# Altium PCB CLP_v1.2_Pcb.PcbDoc (continued)
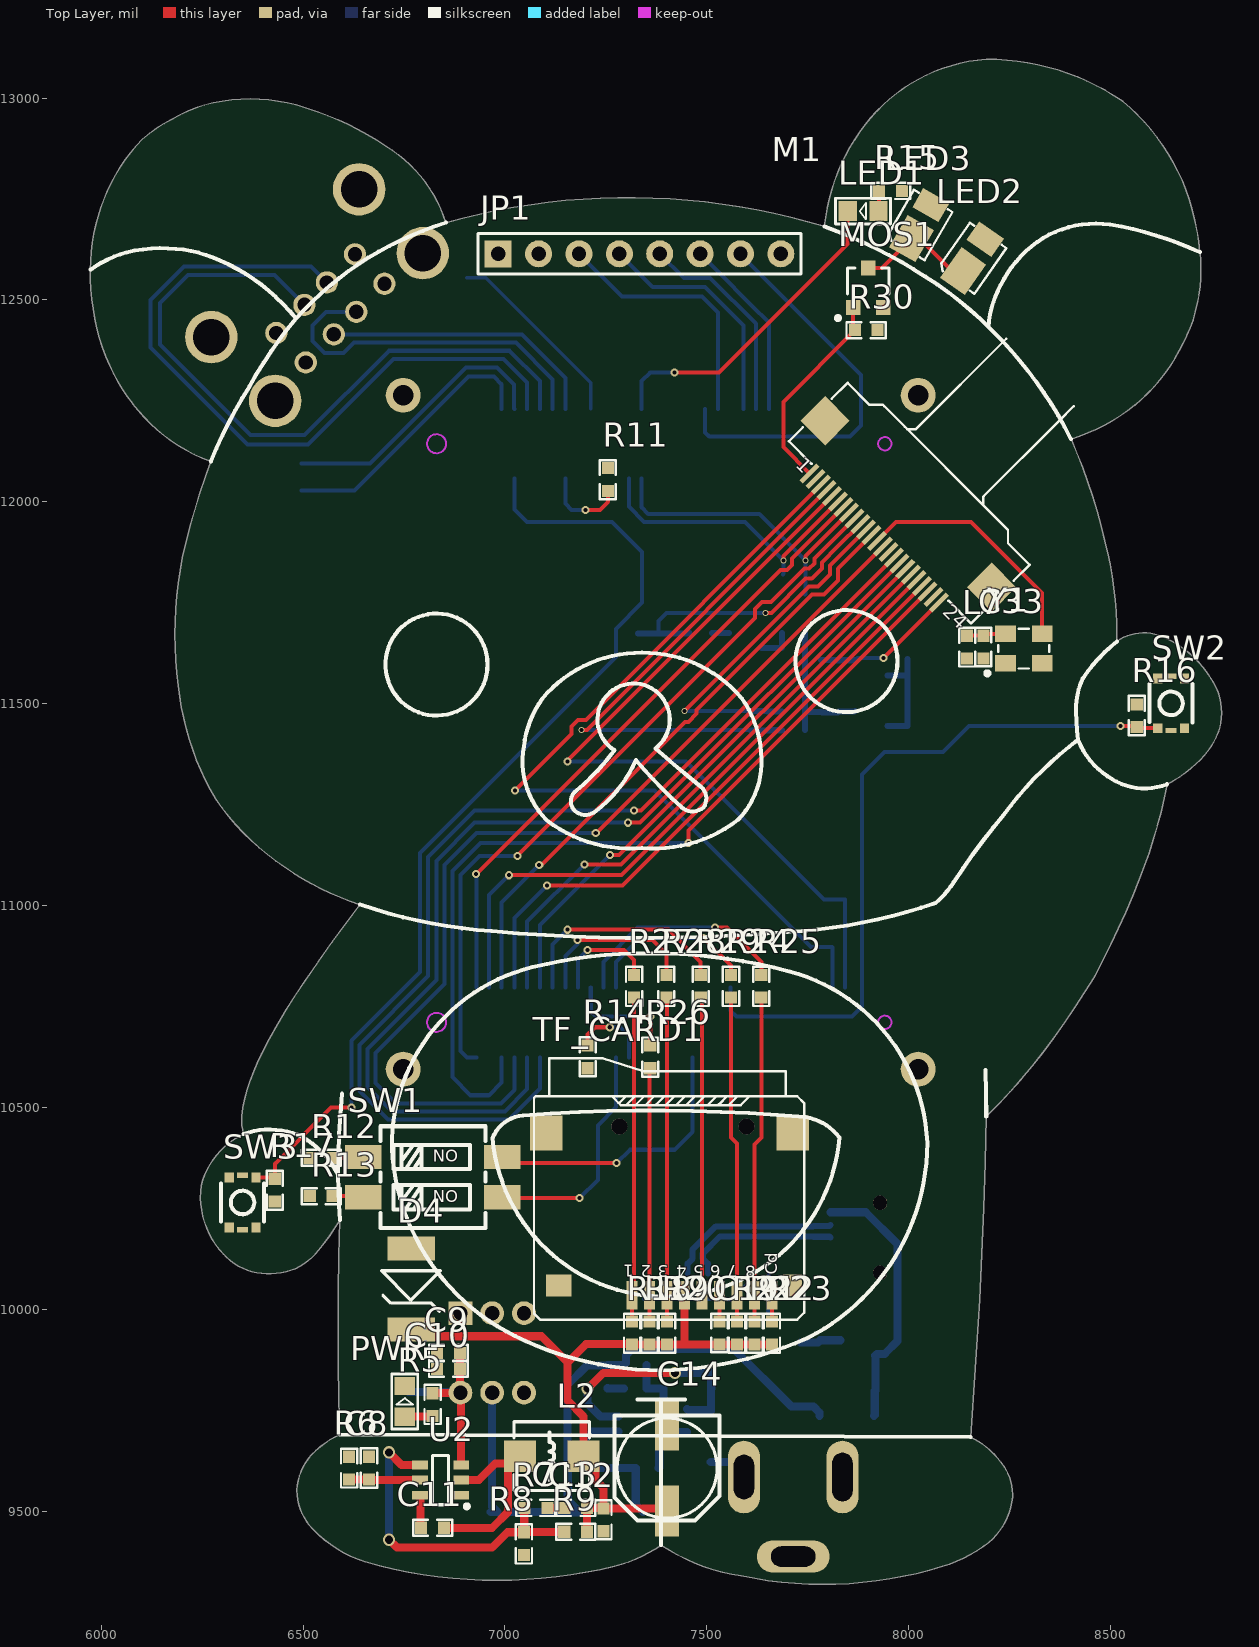
[diagram p0: Top Layer view]
## Footprints (in the part's own frame and the unit in brackets; to place one, negate y for a bottom-side part, rotate by r counter-clockwise, add the part's x,y. Pads: shape width x height; smd on the part's side, far side on the other; paste and mask are expansions set on the pad) (continued)
SW [mm] "key"
  rect 0.625x0.575 smd: 1(-1.547,0.839) 2(1.577,0.839) 3(-1.547,-0.835) 4(1.577,-0.835)
  rect 0.325x0.7 smd: 5(1.727,0.002) 6(-1.697,0.002)
  silkscreen extent -1.19,-1.35 1.22,1.35, body extent -1.53,-1.05 1.48,1.05, height 0.55
USB-MINI-A [mm]
  rect 0.5x2.3 smd: 1(-1.6,3.108) 2(-0.8,3.108) 3(0,3.108) 4(0.8,3.108) 5(1.6,3.108)
  rect 2x2.5 smd: 5(-4.45,-3) 5(-4.45,2.5) 5(4.45,-3) 5(4.45,2.5)
  round 0.9 hole 0.9 unplated: MH1(2.2,0) MH2(-2.2,0)
  silkscreen extent -4.95,-5.95 4.95,4.89, body extent -4.75,-6 4.75,3.7, height 3.95
USB_HOST [mm] "KH-2AF90DIP-1715"
  round 1.4 hole 0.9: 1(1.5,0.9) 2(4,0.9) 3(6,0.9) 4(8.5,0.9) 5(1.5,-1.72) 6(4,-1.72) 7(6,-1.72) 8(8.5,-1.72)
  round 3.3 hole 2.3: 9(-1.57,1.25) 10(11.57,1.25) 11(-1.57,-4.43) 12(11.57,-4.43)
  silkscreen extent -1.57,-16.37 11.58,3.02, body extent -7.25,-15.25 12.95,5.43, height 15.6
XTAL3225 [mm]
  rect 1.3x1.05 smd: 1(0,0) 2(2.3,0) 3(2.3,1.85) 4(0,1.85)
  silkscreen extent -1.27,-0.76 2.74,2.17

## Part data
C1 C2 C3 C4 C5 C6 C8 C9 C10 C11 C12 C13 C15 C16 C17 C18 C19 C20 C21 C22 C23 C24 C25 C26 C27 C28 C29 C30 C31 C32 C33 C34 C35: library part C
C7 C14: library part C-CM, "贴片电解电容", BOM名称=贴片电解电容, 学习资源=www.ooocke.com, 版权归属=源创客
D1 D2 VD1: library part SS14, "肖特基二极管", BOM名称=肖特基二极管, 学习资源=www.ooocke.com, 属性=40V/1A, 版权归属=源创客
D3 D4: library part SMBJ, "TVS"
DC_IN1: library part P-DC, "低压电源接口", BOM名称=DC电源接口, 学习资源=www.ooocke.com, 版权归属=源创客
F1: library part FU, "贴片保险丝", BOM名称=贴片保险丝, 学习资源=www.ooocke.com, 版权归属=源创客
I.MX6UL_CORE: library part I.MX6UL核心板, "I.MX6UL核心板"
JP1: library part "Header 8", "8P接插件", BOM名称=8P接插件, 学习资源=https://lmdzstyle.taobao.com/, 版权归属=黎明电子style
L1 L2: library part L-CDRH, "功率屏蔽电感", BOM名称=功率屏蔽电感, 学习资源=www.ooocke.com, 版权归属=源创客
L3 L4 L5 L6 L7: library part L, "小功率贴片电感磁珠", BOM名称=小功率贴片电感, 学习资源=www.ooocke.com, 版权归属=源创客
LED1 PWR: library part LED-SMD, "贴片LED", BOM名称=贴片LED, 学习资源=www.ooocke.com, 版权归属=源创客
M1: library part OV5640-A-170, "OV5640-A-170,AF,FPC"
MOS1: library part MOS-N, "AP2306"
R1 R2 R3 R4 R5 R6 R7 R8 R9 R11 R12 R13 R14 R15 R16 R17 R18 R19 R20 R21 R22 R23 R24 R25 R26 R27 R28 R29 R30 R31 R32 R33 R34 R35: library part R
SW1: library part SMD_KEY, "boot && led key"
SW2 SW3: library part SW, "key"
SW4: "7*7自锁开关", BOM名称=7*7自锁开关, 学习资源=https://lmdzstyle.taobao.com/, 版权归属=黎明电子style
TF_CARD1: "Micro SD卡", BOM名称="Micro SD卡", 学习资源=www.ooocke.com, 版权归属=源创客
U1 U2: "DC降压芯片"
U3: library part CH340G, "USB2UART"
U4: library part "LDO XC6206", "LDO", Package=SOT-23, SuppliersPartNumber=C5446, ComponentLink1Description=供应商链接, ComponentLink1URL=http://www.szlcsc.com/product/details_5896.html, Supplier=LC
U5 U6: "单路双掷模拟开关"
U7 U8 U9: library part XC6206, "LDO,SOT23,1.2~5.0V"
USB1: library part USB_HOST, "WIFI && USB_HUB"
USB_TTL: "微型USB母座", BOM名称=微型USB母座, 学习资源=www.ooocke.com, 版权归属=源创客
Y1: library part XTAL_S, "有源晶振"

## Via types
v1: diameter 20, hole 10, Top Layer to Bottom Layer, 27 vias
v2: diameter 15, hole 10, Top Layer to Bottom Layer, 5 vias
v3: diameter 30, hole 20, Top Layer to Bottom Layer, 4 vias

## Nets (pads, with @x,y where several pads share a name; then routed paths per layer and width w, separated by ;. In a path a pad name is that pad's centre, name@x,y a point inside that pad or via, vN(x,y) a via of type N, cw(c..) or ccw(c..) an arc to the next point about the centre after c; other vN are vias at no path point)
AF-VCC: C24.2 C25.2 M1.24 U8.2 | length 352.6
  Top Layer w10: v1(7937.48,11612.52) M1.24
  Bottom Layer w10: U8.2 7873.23,11612.52 v1(7937.48,11612.52)
  Bottom Layer w15: C25.2 C24.2 7823.1,11607.38 7866.85,11607.38 U8.2
AVDD: C29.2 C30.2 L5.2 M1.4 | length 1350.8
  Top Layer w10: v2(7190,11435) 7203.19,11435 M1.4
  Bottom Layer w10: v2(7190,11435) 7608.25,11435 C30.2
  Bottom Layer w15: C30.2 C29.2 7650.88,11434.12 7685.88,11434.12 L5.2
BOOT_MODE1: I.MX6UL_CORE.J2_8 R11.2 | length 208.5
  Top Layer w10: v1(7200,11980) 7235,11980 7255,12000 R11.2
  Bottom Layer w10: I.MX6UL_CORE.J2_8 7149.61,11995.39 7165,11980 v1(7200,11980)
CH340_D+: U3.5 USB_TTL.3 | length 390.1
  Bottom Layer w15: U3.5 7502.56,10112.8 7490.06,10125.3 7490.06,10137.73 7532.74,10180.41 7763.4,10180.41 7764.31,10179.51 7804.43,10179.51 USB_TTL.3
CH340_D-: U3.6 USB_TTL.2 | length 431.5
  Bottom Layer w15: U3.6 7452.56,10112.8 7465.06,10125.3 7465.06,10148.08 7522.39,10205.41 7763.4,10205.41 7764.31,10206.32 7804.43,10206.32 USB_TTL.2
DCDC_1V5: C21.2 C22.2 C34.1 L4.2 M1.10 | length 767.5
  Top Layer w10: v2(7645,11725) 7660,11725 7745,11810 7760,11810 7785,11835 7785,11849.78 7823.98,11888.76 M1.10
  Bottom Layer w10: C22.2 7380,11705 7400,11725 v2(7645,11725)
  Bottom Layer w15: C34.1 C22.2 C21.2 7420.88,11674.12 7455.88,11674.12 L4.2
DCDC_2V8: C27.2 C28.2 L3.2 L5.1 L6.1 U9.2 | length 366.5
  Bottom Layer w15: L5.1 L6.1 ; L3.2 L6.1 ; U9.2 7865.7,11480.08 7826.83,11480.08 C27.2 C28.2 7784.13,11479.12 7744.13,11479.12 L6.1
DCDC_3V3: C12.1 C13.1 C14.1 C18.2 C19.2 C23.2 C26.2 C35.2 D4.2 JP1.2 JP1.8 L2.2 L7.2 LED2.1 LED3.1 R9.2 R11.1 R12.1 R13.1 R14.1 R15.2 R16.2 R17.2 R18.2 R19.2 R20.2 R21.2 R22.2 R23.2 R31.1 R32.1 R33.1 R34.1 TF_CARD1.4 U5.5 U5.6 U6.5 U6.6 U8.3 U9.3 | length 1990.7
  Top Layer w20: D4.2 6784.76,9933.07 7090.55,9933.07 7155.51,9868.11 ; R9.2 C13.1 7204.09,9507.24 7243.46,9507.24 C12.1 ; C14.1 7394.98,9506.6 C12.1 ; TF_CARD1.4 7444.88,9912.69 ; R23.2 R22.2 R21.2 C19.2 7444.88,9912.69 ; 7155.51,9868.11 7200.79,9913.39 7314.27,9913.39 R18.2 R19.2 R20.2 7444.88,9912.69 ; 7155.51,9868.11 7155.51,9773.62 7194.88,9734.25 L2.2 7224.25,9606.46 7224.25,9576.93 7244.09,9557.09 C12.1
  Bottom Layer w15: U8.3 7947.59,11569.88 7996.63,11569.88 C23.2 ; U9.3 7947.57,11444.95 C26.2 C26.2 C23.2 ; C35.2 C23.2
DCDC_5V: C1.1 C9.2 C10.2 D1.1 D2.1 D3.2 I.MX6UL_CORE.J2_1 I.MX6UL_CORE.J2_2 R5.2 SW4.6 U2.3 USB1.1 USB1.5 | length 478.4
  Top Layer w20: R5.2 6821.5,9792.67 6887.85,9792.67 6889.13,9793.95 6889.13,9851.72 C10.2 C9.2 ; SW4.6 6890.75,9792.32 6890.75,9615 6891.57,9614.17 U2.3
  Bottom Layer w20: D3.2 6761.48,9794.94 6888.13,9794.94 SW4.6
DOVDD: C31.2 C32.2 L6.2 M1.11 | length 890.6
  Top Layer w10: v2(7445,11481.94) 7753.06,11790 7775,11790 7805,11820 7805,11841.94 M1.11
  Bottom Layer w10: v2(7445,11481.94) 7609.81,11481.94 C32.2
  Bottom Layer w15: C32.2 C31.2 7650.88,11480.88 7685.88,11480.88 L6.2
GND: C1.2 C2.2 C3.2 C6.1 C7.2 C8.1 C9.1 C10.1 C12.2 C14.2 C15.1 C16.1 C17.1 C18.1 C19.1 C20.1 C21.1 C22.1 C23.1 C24.1 C25.1 C26.1 C27.1 C28.1 C29.1 C30.1 C31.1 C32.1 C33.2 C34.2 C35.1 D3.1 D4.1 DC_IN1.2 DC_IN1.3 I.MX6UL_CORE.J2_59 I.MX6UL_CORE.J2_60 JP1.1 M1.2 M1.15 M1.23 M1.25 M1.26 MOS1.2 PWR.2 R4.1 R8.2 R30.1 R35.2 SW2.3 SW3.3 TF_CARD1.6 U1.1 U2.1 U3.1 U4.1 U5.2 U6.2 U7.1 U8.1 U9.1 USB1.4 USB1.8 USB1.9 USB1.10 USB1.11 USB1.12 USB_TTL.5 Y1.2 | length 65.2
  Top Layer w10: C19.1 TF_CARD1.6
IPS_CS: I.MX6UL_CORE.J2_42 JP1.7 | length 1009.1
  Bottom Layer w10: I.MX6UL_CORE.J2_42 7496.06,12171.47 7506.12,12161.42 7854.33,12161.42 7881.89,12188.98 7881.89,12314 7583.46,12612.42 JP1.7
IPS_DC: I.MX6UL_CORE.J2_37 JP1.6 | length 454.3
  Bottom Layer w10: JP1.6 7525.98,12571.65 7611.02,12486.61 7653.54,12444.09 I.MX6UL_CORE.J2_37
IPS_RESET: I.MX6UL_CORE.J2_38 JP1.5 | length 521
  Bottom Layer w10: JP1.5 7443.11,12554.53 7508.46,12554.53 7622.05,12440.94 I.MX6UL_CORE.J2_38
IPS_SCL: I.MX6UL_CORE.J2_41 JP1.3 | length 642.6
  Bottom Layer w10: JP1.3 7289.76,12507.87 7488.19,12507.87 7527.56,12468.5 I.MX6UL_CORE.J2_41
IPS_SDA: I.MX6UL_CORE.J2_39 JP1.4 | length 587.2
  Bottom Layer w10: JP1.4 7366.14,12531.5 7496.06,12531.5 7590.55,12437.01 I.MX6UL_CORE.J2_39
LCD_DATA5: I.MX6UL_CORE.J1_12 SW1.3 | length 578.7
  Top Layer w10: SW1.3 6995.95,10275 v1(7185,10275)
  Bottom Layer w10: v1(7185,10275) 7230,10320 7230,10455 7275.59,10500.59 I.MX6UL_CORE.J1_12
LCD_DATA6: I.MX6UL_CORE.J1_13 R14.2 | length 198.8
  Top Layer w10: R14.2 7205,10680 7223.4,10698.4 v1(7259.66,10698.4)
  Bottom Layer w10: v1(7259.66,10698.4) 7286.6,10698.4 7307.09,10677.91 I.MX6UL_CORE.J1_13
LCD_DATA11: I.MX6UL_CORE.J1_18 SW1.4 | length 693.8
  Top Layer w10: SW1.4 7009.04,10361.91 v1(7276.91,10361.91)
  Bottom Layer w10: v1(7276.91,10361.91) 7310,10395 7420,10395 7464.57,10439.57 I.MX6UL_CORE.J1_18
LED0: I.MX6UL_CORE.J2_47 LED1.2 | length 800.7
  Top Layer w10: v1(7420,12320) 7530,12320 7848.99,12638.99 LED1.2
  Bottom Layer w10: I.MX6UL_CORE.J2_47 7338.58,12298.58 7360,12320 v1(7420,12320)
NetC2_1: C2.1 C3.1 R1.1 U1.3 VD1.2 | length 604.5
  Top Layer w20: v3(7204.72,9803.15) 7244.09,9842.52 v3(7421.26,9842.52)
  Bottom Layer w20: v3(7204.72,9803.15) 7204.72,9766.3 7236.97,9734.05 U1.3 ; v3(7421.26,9842.52) C2.1@7509.84,9842.52 ; R1.1 7453.1,9750.35 7507.53,9750.35 VD1.2 7510.48,9748.67 7510.48,9802.51 C3.1 C2.1
NetC4_1: C4.1 U1.6 | length 54.9
  Bottom Layer w20: C4.1 7382.3,9607.98 7382.3,9658.42 7383.12,9659.25 U1.6
NetC4_2: C4.2 L1.1 U1.2 | length 398.1
  Bottom Layer w20: U1.2 7216.34,9696.65 7194.88,9675.2 7194.88,9625.98 7214.57,9606.3 C4.2 7324.11,9516.44 L1.1
NetC5_1: C5.1 R2.2 | length 41.2
  Bottom Layer w20: C5.1 7254.58,9803.79 7293.95,9803.79 R2.2
NetC5_2: C5.2 C6.2 C7.1 F1.1 L1.2 R3.2 SW4.5 | length 1561.3
  Bottom Layer w20: C7.1@6964.86,9498.03 6981.44,9498.03 6968.5,9510.97 SW4.5 SW4.5@6966.54,9791.34 ; C7.1@7015.75,9497.39 7105.66,9497.39 C6.2 7183.76,9496.75 L1.2 7155.67,9527.4 7155.67,9645.51 7155.51,9645.67 7155.51,9812.99 7203.45,9860.93 C5.2 7254.58,9861.57 7293.95,9861.57 7299.58,9867.2 7299.58,9885.92 7315.24,9901.57 7566.93,9901.57 7709.78,9758.72 7763.96,9758.72 7778.96,9743.72 F1.1
NetC8_2: C8.2 R6.1 U2.5 | length 175.7
  Top Layer w20: C8.2 R6.1 6664.02,9577.41 6788.73,9577.41 U2.5
NetC11_1: C11.1 L2.1 U2.2 | length 461
  Top Layer w20: C11.1 6968.5,9458.66 7007.87,9498.03 7007.87,9594.74 7008.03,9594.9 7008.03,9606.46 L2.1 ; U2.2 6935.35,9576.77 6976.12,9617.54 L2.1@7010.75,9617.54
NetC11_2: C11.2 U2.6 | length 82.5
  Top Layer w20: U2.6 6790.17,9539.37 6790.99,9538.54 6790.99,9460.28 C11.2
NetC13_2: C13.2 R7.1 | length 41.9
  Top Layer w20: R7.1 C13.2
NetC20_2: C20.2 L3.1 U7.3 | length 87.6
  Bottom Layer w15: U7.3 7635.13,11638.12 7684.88,11638.12 C20.2 7685.88,11639.12 7685.88,11674.12 L3.1
NetC33_1: C33.1 L7.1 Y1.4 | length 103.4
  Top Layer w10: L7.1 C33.1 8189.58,11672.83 Y1.4 Y1.4@8235.42,11668.25
NetDC_IN1_1: DC_IN1.1 VD1.1 | length 102.3
  Bottom Layer w20: VD1.1 7562.01,9622.05 7592.04,9592.02 DC_IN1.1
NetI.MX6UL_CORE_J1_49: I.MX6UL_CORE.J1_49 R24.1 | length 423.7
  Top Layer w10: v1(7491.25,10920) 7560,10851.25 R24.1
  Bottom Layer w10: I.MX6UL_CORE.J1_49 7275.59,10860.42 7335.17,10920 v1(7491.25,10920)
NetI.MX6UL_CORE_J1_50: I.MX6UL_CORE.J1_50 R25.1 | length 556.1
  Top Layer w10: v1(7520,10945) 7550,10945 7635,10860 R25.1
  Bottom Layer w10: I.MX6UL_CORE.J1_50 7244.09,10860.42 7328.68,10945 v1(7520,10945)
NetI.MX6UL_CORE_J1_51: I.MX6UL_CORE.J1_51 R26.1 | length 293.9
  Top Layer w10: R26.1 v1(7360,10725) 7360,10715
  Bottom Layer w10: I.MX6UL_CORE.J1_51 7212.6,10737.72 7225.32,10725 v1(7360,10725)
NetI.MX6UL_CORE_J1_52: I.MX6UL_CORE.J1_52 R27.1 | length 264.9
  Top Layer w10: v1(7205,10890) 7295.32,10890 7320,10865.32 R27.1
  Bottom Layer w10: I.MX6UL_CORE.J1_52 7181.1,10866.1 v1(7205,10890)
NetI.MX6UL_CORE_J1_53: I.MX6UL_CORE.J1_53 R28.1 | length 416.6
  Top Layer w10: v1(7180,10915) 7365,10915 7400,10880 R28.1
  Bottom Layer w10: I.MX6UL_CORE.J1_53 7150,10797.64 7150,10875 7180,10905 v1(7180,10915)
NetI.MX6UL_CORE_J1_54: I.MX6UL_CORE.J1_54 R29.1 | length 552.9
  Top Layer w10: v1(7155,10940) 7405,10940 7485,10860 R29.1
  Bottom Layer w10: I.MX6UL_CORE.J1_54 7118.11,10903.11 v1(7155,10940)
NetL4_1: L4.1 U7.2 | length 41.8
  Bottom Layer w15: L4.1 U7.2
NetLED1_1: LED1.1 R15.1 | length 50.7
  Top Layer w10: LED1.1 7926.75,12721.75 R15.1
NetLED2_2: LED2.2 LED3.2 MOS1.3 | length 298.4
  Top Layer w10: MOS1.3 7934.35,12579.21 LED3.2 8026.78,12651.86 8107.28,12571.36 LED2.2
NetPWR_1: PWR.1 R5.1 | length 69.7
  Top Layer w20: PWR.1 6752.92,9734.58 6819.91,9734.58 R5.1
NetR1_2: R1.2 U1.5 | length 67
  Bottom Layer w20: U1.5 7384.23,9696.41 7450.54,9696.41 R1.2
NetR2_1: R2.1 R3.1 R4.2 U1.4 | length 178.6
  Bottom Layer w20: R3.1 R2.1 R4.2 7393.01,9734.88 7392.18,9734.05 U1.4
NetR7_2: R7.2 R8.1 R9.1 U2.4 | length 825.1
  Top Layer w20: v3(6712.6,9429.13) 6732.28,9409.45 6968.5,9409.45 7006.6,9447.54 R8.1 R8.1@7047.88,9448.18 ; v3(6712.6,9645.67) 6744.09,9614.17 U2.4 ; R7.2 7047.88,9507.24 R8.1@7047.88,9448.18 ; R9.1 7146.31,9448.18 R8.1@7047.88,9448.18
  Bottom Layer w20: v3(6712.6,9429.13) v3(6712.6,9645.67)
NetR12_2: R12.2 SW1.1 | length 76.9
  Top Layer w10: R12.2 6647.05,10375 SW1.1
NetR13_2: R13.2 SW1.2 | length 77.2
  Top Layer w10: R13.2 6646.46,10280 SW1.2
ON_OFF: I.MX6UL_CORE.J2_4 R17.1 SW3.1 | length 2442.4
  Top Layer w10: SW3.1 6427.33,10325.92 R17.1 6430,10360.32 6569.68,10500 v1(6620,10500)
  Bottom Layer w10: v1(6620,10500) 6620,10665 6790,10835 6790,11130 7275,11615 7275,11685 7340,11750 7340,11875 7265,11950 7055,11950 7023.62,11981.38 I.MX6UL_CORE.J2_4
OV_D0: I.MX6UL_CORE.J1_56 M1.19 | length 1469.3
  Top Layer w10: v1(7197,11102) 7287.77,11102 M1.19
  Bottom Layer w10: I.MX6UL_CORE.J1_56 7055.12,10960.12 v1(7197,11102)
OV_D1: I.MX6UL_CORE.J1_57 M1.21 | length 1522.5
  Top Layer w10: v1(7104.41,11050) 7291.45,11050 M1.21
  Bottom Layer w10: I.MX6UL_CORE.J1_57 7023.62,10969.21 v1(7104.41,11050)
OV_D2: I.MX6UL_CORE.J1_3 M1.22 | length 2208.3
  Top Layer w10: v1(7455,11155) 7455,11185.71 M1.22
  Bottom Layer w10: I.MX6UL_CORE.J1_3 6992.13,10562.13 6960,10530 6915,10530 6870,10575 6870,11085 6940,11155 v1(7455,11155)
OV_D3: I.MX6UL_CORE.J1_59 M1.20 | length 1610.4
  Top Layer w10: v1(7010,11075) 7288.61,11075 M1.20
  Bottom Layer w10: I.MX6UL_CORE.J1_59 6960.63,11025.63 v1(7010,11075)
OV_D4: I.MX6UL_CORE.J1_55 M1.18 | length 1424.7
  Top Layer w10: v1(7260,11125) 7282.93,11125 M1.18
  Bottom Layer w10: I.MX6UL_CORE.J1_55 7086.61,10951.61 v1(7260,11125)
OV_D5: I.MX6UL_CORE.J1_6 M1.16 | length 2696.1
  Top Layer w10: v1(7320,11235) 7337.25,11235 M1.16
  Bottom Layer w10: I.MX6UL_CORE.J1_6 7086.61,10546.61 7010,10470 6710,10470 6640,10540 6640,10655 6810,10825 6810,11120 6925,11235 v1(7320,11235)
OV_D6: I.MX6UL_CORE.J1_4 M1.14 | length 2481.9
  Top Layer w10: v1(7225,11180) 7226.57,11180 M1.14
  Bottom Layer w10: I.MX6UL_CORE.J1_4 7023.62,10543.62 6990,10510 6730,10510 6680,10560 6680,10635 6850,10805 6850,11100 6930,11180 v1(7225,11180)
OV_D7: I.MX6UL_CORE.J1_58 M1.12 | length 1525.2
  Top Layer w10: v1(7085,11100) 7090.9,11100 7445.9,11455 7455,11455 7475,11475 7475,11484.1 7760.9,11770 7790,11770 7825,11805 7825,11834.1 M1.12
  Bottom Layer w10: I.MX6UL_CORE.J1_58 6992.13,11007.13 v1(7085,11100)
OV_HREF: I.MX6UL_CORE.J1_1 M1.9 | length 1843.4
  Top Layer w10: v1(7030.68,11122.62) 7030.68,11123.3 7620,11712.62 7620,11734.36 7636.95,11751.31 7658.69,11751.31 7741.66,11834.28 7753.65,11834.28 7766.48,11847.11 7766.48,11859.1 M1.9
  Bottom Layer w10: I.MX6UL_CORE.J1_1 6905.98,10624.02 6890,10640 6890,11075 6937.62,11122.62 v1(7030.68,11122.62)
OV_PCLK: I.MX6UL_CORE.J1_5 M1.17 | length 2605.3
  Top Layer w10: v1(7305,11205) 7335.09,11205 M1.17
  Bottom Layer w10: I.MX6UL_CORE.J1_5 7055.12,10545.12 7000,10490 6720,10490 6660,10550 6660,10645 6830,10815 6830,11110 6925,11205 v1(7305,11205)
OV_PWDN: I.MX6UL_CORE.J2_14 M1.8 R31.2 | length 779.6
  Top Layer w10: v2(7745,11855) 7745,11865.46 M1.8
  Bottom Layer w10: I.MX6UL_CORE.J2_14 7338.58,11986.42 7355,11970 7630,11970 v2(7745,11855) 7745,11771.75 R31.2
OV_RESET: I.MX6UL_CORE.J2_13 M1.6 R32.2 | length 744.3
  Top Layer w10: v2(7690,11855) 7690,11866.14 M1.6
  Bottom Layer w10: I.MX6UL_CORE.J2_13 7307.09,11987.91 7345,11950 7595,11950 v2(7690,11855) 7690,11821.75 R32.2
OV_SCL: I.MX6UL_CORE.J1_31 M1.5 R33.2 | length 1976.6
  Top Layer w10: v1(7155,11356.99) 7155,11358.97 M1.5
  Bottom Layer w10: v1(7155,11356.99) 7448.01,11356.99 7790.02,11014.98 R33.2 7842.52,11014.61 I.MX6UL_CORE.J1_31
OV_SDA: I.MX6UL_CORE.J1_32 M1.3 R34.2 | length 2128.5
  Top Layer w10: v1(7025,11284.65) 7165,11424.65 7165,11443.81 7181.19,11460 7200.35,11460 M1.3
  Bottom Layer w10: v1(7025,11284.65) 7370.35,11284.65 7758.25,10896.75 R34.2 7811.02,10895.73 I.MX6UL_CORE.J1_32
OV_STROBE: M1.1 MOS1.1 R30.2 | length 513
  Top Layer w10: M1.1 7690,12135.26 7690,12247.56 7867.5,12425.06 7862.6,12429.97 MOS1.1
OV_VSYNC: I.MX6UL_CORE.J1_60 M1.7 | length 1577
  Top Layer w10: v1(6928.68,11078.46) 6930.16,11078.46 7682.26,11830.56 7698.59,11830.56 7711.44,11843.41 7711.44,11859.73 M1.7
  Bottom Layer w10: v1(6928.68,11078.46) 6929.13,11078 I.MX6UL_CORE.J1_60
OV_XCLK: M1.13 Y1.3 | length 602.2
  Top Layer w10: M1.13 7968.74,11950 8155,11950 8330.55,11774.45 Y1.3
PMIC_ON_REQ: I.MX6UL_CORE.J1_41 R6.2
RESET: I.MX6UL_CORE.J1_40 R16.1 SW2.1 | length 1759.3
  Top Layer w10: v1(8525,11445) 8561.75,11445 R16.1 8567.67,11439.08 SW2.1
  Bottom Layer w10: I.MX6UL_CORE.J1_40 7559.06,10739.26 7573.31,10725 7860,10725 7885,10750 7885,11325 7940,11380 8085,11380 8150,11445 v1(8525,11445)
RXD: U3.3 U5.4 | length 300.2
  Bottom Layer w10: U5.4 7549.21,10025.59 7551.18,10023.62 7562.2,10023.62 7602.56,10063.98 U3.3
TXD: U3.2 U6.4 | length 94.9
  Bottom Layer w10: U6.4 U6.4 7652.56,9995 U3.2
UART1_RXD: I.MX6UL_CORE.J2_46 U6.1
UART1_TXD: I.MX6UL_CORE.J2_50 U5.1
UART_3V3: C15.2 C16.2 U3.16 U4.2 | length 100.6
  Bottom Layer w20: C16.2 C15.2 7780.81,9923.23 U4.2
USB_OTG1_DN: I.MX6UL_CORE.J2_53 USB1.2 | length 694.6
  Bottom Layer w10: USB1.2 7042,12414.69 7149.61,12307.09 I.MX6UL_CORE.J2_53
USB_OTG1_DP: I.MX6UL_CORE.J2_54 USB1.3 | length 889.4
  Bottom Layer w10: USB1.3 6556.98,12470.37 6523.62,12437.01 6523.62,12397.64 6552.9,12368.36 6600.65,12368.36 6626.51,12394.22 7027.04,12394.22 7118.11,12303.15 I.MX6UL_CORE.J2_54
USB_OTG1_ID: I.MX6UL_CORE.J2_51 R35.1 | length 479.7
  Bottom Layer w8: R35.1@6905.51,12555.12 6952.76,12555.12 7212.6,12295.28 I.MX6UL_CORE.J2_51
USB_OTG1_VBUS: D1.2 I.MX6UL_CORE.J2_57 | length 702.9
  Bottom Layer w10: D1.2 6665.35,12094.49 6903.54,12332.67 6979.87,12332.67 7022.62,12289.92 7022.62,12231.32 I.MX6UL_CORE.J2_57
USB_OTG2_DN: I.MX6UL_CORE.J2_55 USB1.6 | length 1739.9
  Bottom Layer w10: USB1.6 6429.13,12561.87 6215.42,12561.87 6145.67,12492.13 6145.67,12389.76 6370.08,12165.35 6503.94,12165.35 6712.57,12373.99 7011.83,12373.99 7086.61,12299.21 I.MX6UL_CORE.J2_55
USB_OTG2_DP: I.MX6UL_CORE.J2_56 USB1.7 | length 1815.4
  Bottom Layer w10: USB1.7 6519.69,12582.68 6204.72,12582.68 6122.05,12500 6122.05,12381.89 6362.2,12141.73 6511.81,12141.73 6724.01,12353.93 6996.47,12353.93 7055.12,12295.28 I.MX6UL_CORE.J2_56
USB_OTG2_VBUS: D2.2 I.MX6UL_CORE.J2_58 | length 681.4
  Bottom Layer w10: D2.2 6627.56,12027.56 6910,12310 6972.73,12310 6991.7,12291.03 6991.7,12230.75 I.MX6UL_CORE.J2_58
USDHC1_CD_B: I.MX6UL_CORE.J2_43 R23.1 TF_CARD1.9 | length 65.2
  Top Layer w10: R23.1 TF_CARD1.9
USDHC1_CLK: R29.2 TF_CARD1.5 | length 737.4
  Top Layer w10: TF_CARD1.5 R29.2@7488.19,10771.75
USDHC1_CMD: R20.1 R28.2 TF_CARD1.3 | length 802.6
  Top Layer w10: R20.1 TF_CARD1.3 R28.2@7401.57,10771.75
USDHC1_DATA0: R21.1 R24.2 TF_CARD1.7 | length 808.7
  Top Layer w10: R24.2 7560,10425 7574.8,10410.2 TF_CARD1.7 R21.1
USDHC1_DATA1: R22.1 R25.2 TF_CARD1.8 | length 809.6
  Top Layer w10: R22.1 TF_CARD1.8 7618.11,10408.11 7635,10425 R25.2
USDHC1_DATA2: R18.1 R27.2 TF_CARD1.1 | length 804.6
  Top Layer w10: R18.1 TF_CARD1.1 7320,10039.41 R27.2
USDHC1_DATA3: R19.1 R26.2 TF_CARD1.2 | length 628.3
  Top Layer w10: R19.1 TF_CARD1.2 7358.27,10595.02 R26.2
VUSB: C17.2 F1.2 U4.3 USB_TTL.1 | length 659.8
  Bottom Layer w20: USB_TTL.1 7893.7,10240.15 7972.44,10161.42 7972.44,9921.26 7940.79,9889.61 7921.1,9889.61 U4.3 7917.67,9885.48 7917.67,9799.56 C17.2 7915.99,9797.18 7915.99,9738.25 F1.2
pads on no net: I.MX6UL_CORE.0 I.MX6UL_CORE.J1_2 I.MX6UL_CORE.J1_7 I.MX6UL_CORE.J1_8 I.MX6UL_CORE.J1_9 I.MX6UL_CORE.J1_10 I.MX6UL_CORE.J1_11 I.MX6UL_CORE.J1_14 I.MX6UL_CORE.J1_15 I.MX6UL_CORE.J1_16 I.MX6UL_CORE.J1_17 I.MX6UL_CORE.J1_19 I.MX6UL_CORE.J1_20 I.MX6UL_CORE.J1_21 I.MX6UL_CORE.J1_22 I.MX6UL_CORE.J1_23 I.MX6UL_CORE.J1_24 I.MX6UL_CORE.J1_25 I.MX6UL_CORE.J1_26 I.MX6UL_CORE.J1_27 I.MX6UL_CORE.J1_28 I.MX6UL_CORE.J1_29 I.MX6UL_CORE.J1_30 I.MX6UL_CORE.J1_33 I.MX6UL_CORE.J1_34 I.MX6UL_CORE.J1_35 I.MX6UL_CORE.J1_36 I.MX6UL_CORE.J1_37 I.MX6UL_CORE.J1_38 I.MX6UL_CORE.J1_39 I.MX6UL_CORE.J1_42 I.MX6UL_CORE.J1_43 I.MX6UL_CORE.J1_44 I.MX6UL_CORE.J1_45 I.MX6UL_CORE.J1_46 I.MX6UL_CORE.J1_47 I.MX6UL_CORE.J1_48 I.MX6UL_CORE.J2_3 I.MX6UL_CORE.J2_5 I.MX6UL_CORE.J2_6 I.MX6UL_CORE.J2_7 I.MX6UL_CORE.J2_9 I.MX6UL_CORE.J2_10 I.MX6UL_CORE.J2_11 I.MX6UL_CORE.J2_12 I.MX6UL_CORE.J2_15 I.MX6UL_CORE.J2_16 I.MX6UL_CORE.J2_17 I.MX6UL_CORE.J2_18 I.MX6UL_CORE.J2_19 I.MX6UL_CORE.J2_20 I.MX6UL_CORE.J2_21 I.MX6UL_CORE.J2_22 I.MX6UL_CORE.J2_23 I.MX6UL_CORE.J2_24 I.MX6UL_CORE.J2_25 I.MX6UL_CORE.J2_26 I.MX6UL_CORE.J2_27 I.MX6UL_CORE.J2_28 I.MX6UL_CORE.J2_29 I.MX6UL_CORE.J2_30 I.MX6UL_CORE.J2_31 I.MX6UL_CORE.J2_32 I.MX6UL_CORE.J2_33 I.MX6UL_CORE.J2_34 I.MX6UL_CORE.J2_35 I.MX6UL_CORE.J2_36 I.MX6UL_CORE.J2_40 I.MX6UL_CORE.J2_44 I.MX6UL_CORE.J2_45 I.MX6UL_CORE.J2_48 I.MX6UL_CORE.J2_49 I.MX6UL_CORE.J2_52 M1.27 SW2.2 SW2.4 SW2.5 SW2.6 SW3.2 SW3.4 SW3.5 SW3.6 SW4.1 SW4.2 SW4.3 SW4.4 TF_CARD1.0 U3.4 U3.7 U3.8 U3.9 U3.10 U3.11 U3.12 U3.13 U3.14 U3.15 U5.3 U6.3 USB_TTL.4 USB_TTL.MH1 USB_TTL.MH2 Y1.1

## Silkscreen, mask and mechanical layers (free items; w line width, h text height)
Top Overlay:
  circle w10: c7845.99,11605.27 r126.41
  circle w10: c6830.47,11596.81 r126.41
  lines w10: 5973.71,12575.17 cw(c6149.22,12324.59) 6062.41,12617.95 cw(c6149.47,12246.82) 6165.91,12627.66 cw(c6156.5,12296.45) 6294.43,12597.72 cw(c6095.73,12143.49) 6482.3,12453.93 ; 6271.56,12099.96 cw(c7399.91,11637.68) 6367.47,12286.48 cw(c7308.69,11764.11) 6482.3,12453.93 ; 6352.83,10433.74 cw(c6417.42,10255.69) 6486.2,10432.16 cw(c6396.51,10240.77) 6587.03,10332.3 ; 6591.15,10221.02 cw(c8091.74,10332.3) 6587.03,10332.3 ; 6591.41,9689.3 8153.06,9683.18 ; 6596.27,10533.7 ccw(c8785.92,10332.3) 6587.03,10332.3 ; 6641.57,11002.52 ccw(c7051.59,12188.96) 6967.19,10936.51 ccw(c7348.98,15245.26) 7700.15,10933.91 ccw(c7620.71,12303.86) 8066.6,11006.07 ccw(c7930.03,11169.07) 8111.44,11058.1 cw(c9748.01,9968.93) 8235.72,11224.98 cw(c8953.22,10697.69) 8419.65,11410.53 ; 6853.66,12691.24 ccw(c7127.27,11826.87) 6661.22,12604.55 ccw(c7123.23,11874.15) 6482.3,12453.93 ; 7328.59,9776.78 7387.17,9776.78 ; 7387.17,9415.88 7387.17,9686.18 7387.17,9776.78 ; 7791.36,12681.71 cw(c7374.55,11526.5) 8099.01,12518.15 cw(c7485.52,11701.81) 8274.66,12349.92 cw(c7518.36,11716.33) 8401.87,12155.46 ; 7828.75,10424.72 ccw(c7726.29,10350.36) 7744.88,10475.59 ccw(c7368.31,6153.96) 7044.44,10479.86 ccw(c7052.11,10391.14) 6969.13,10423.45 ccw(c7398.93,10462.47) 7828.86,10425.02 ; 8190.71,10592.86 cw(c3663.62,10477.45) 8192.18,10477.45 ; 8198.14,12433.22 cw(c8444.51,12418.45) 8228.07,12537.07 cw(c8491.79,12404.82) 8332.52,12653.16 cw(c8464.18,12429.66) 8498.48,12686.78 cw(c8354.05,11821.58) 8721.35,12618.15 ; 8515.53,11653.33 ccw(c8752.16,11350.52) 8431.18,11561.85 ccw(c8585.32,11488.77) 8414.97,11479.75 ccw(c9123.72,11492.89) 8419.65,11410.53 ; 8640.31,11300.28 cw(c8584.76,11444.9) 8493.04,11320.05 cw(c8598.2,11480.36) 8419.65,11410.53 ; 7387.17,9776.78 7445.75,9776.78 7387.17,9776.78 ; 6719.99,10399.51 cw(c7175.23,10404.55) 7068.8,10847.21 cw(c7347.09,9734.8) 7356.76,10881.45 cw(c7364.17,9567.6) 7704.35,10836.67 cw(c7588.63,10393.54) 8046.24,10412.12 cw(c7503.97,10412.21) 7747.37,9927.64 cw(c7366.8,10796.58) 7386.57,9848.16 cw(c7392.27,10679.19) 7025.77,9933.32 cw(c7268.82,10426.12) 6719.99,10399.51 ; 7045.27,11378.87 ccw(c7250.18,11355.93) 7103.25,11211.27 ccw(c7309.91,11481.24) 7340.03,11142.59 ccw(c7369.56,11481.29) 7576.69,11211.68 ccw(c7429.51,11356.09) 7634.38,11379.38 ccw(c7377.79,11363.03) 7587.24,11512.15 ccw(c7344.1,11310.09) 7339.61,11626.2 ccw(c7335.67,11310.08) 7092.18,11511.72 ccw(c7301.89,11362.96) 7045.27,11378.87 ; 7173.52,11234.12 cw(c7196.65,11258) 7177.22,11284.99 ccw(c6828.14,11708.88) 7271.27,11384.57 cw(c7318.77,11460.41) 7372.84,11389.1 ccw(c9987.58,14374.31) 7480.97,11297.74 cw(c7459.49,11264.78) 7492.1,11242.77 cw(c7465.06,11275.92) 7436.93,11243.69 cw(c8214.78,12107.27) 7324.76,11359.82 cw(c7024.06,11495.42) 7225.38,11234.12 cw(c7199.45,11263.79) 7173.52,11234.12
Mechanical 1:
  lines w10: 5973.71,12575.17 ccw(c6528.71,12562.4) 6021.09,12337.67 ccw(c6449.06,12530.99) 6122.37,12193.64 ccw(c6411.74,12488.85) 6271.56,12099.96 ccw(c8184.48,11406.56) 6201.15,11860.95 ccw(c7153.11,11674.22) 6191.69,11544.74 ccw(c6860.71,11609.08) 6284.04,11263.85 ccw(c6794.56,11610.49) 6455.28,11095.06 ccw(c6854.84,11665.68) 6641.57,11002.52 ccw(c10033.33,8411.62) 6505.46,10813.89 ccw(c7748.21,9950.87) 6396.84,10631.33 ccw(c6861.08,10397.28) 6351.28,10499.29 ccw(c6487.41,10469.72) 6352.83,10433.74 ccw(c6437.88,10256.61) 6247.86,10306.62 ccw(c6453.36,10279.37) 6303.02,10136.64 ccw(c6412.93,10236.72) 6420.93,10088.29 ccw(c6420.93,10235.82) 6538.22,10146.34 ccw(c6108.44,10507.04) 6591.15,10221.02 ccw(c15551.06,9959.52) 6591.41,9689.3 ccw(c6678.81,9492.09) 6521.87,9640.08 ccw(c6626.87,9544.36) 6484.96,9551.4 ccw(c6624.28,9552.38) 6524.08,9455.58 ccw(c6752.22,9676.05) 6654.05,9374.36 ccw(c6983.28,10543.9) 7271.42,9363.56 ccw(c7186.58,9705.46) 7387.17,9415.88 ccw(c7659.01,9828.35) 7585.46,9339.87 ccw(c7789.26,10316.13) 8083.79,9363.31 ccw(c7983.55,9697.38) 8198.36,9422.59 ccw(c8090.02,9550.71) 8257.05,9534.81 ccw(c8134.27,9541.45) 8228.53,9620.4 ccw(c8067.63,9503.71) 8153.06,9683.18 ccw(c-6091.55,10782.89) 8192.18,10477.45 ccw(c7124.12,11564.31) 8332.16,10635.51 ccw(c6339.8,12125.07) 8460.54,10824.79 ccw(c6524.01,11859.19) 8570.66,11064.62 ccw(c7397.96,11539.3) 8640.31,11300.28 ccw(c8504.29,11565.92) 8712.56,11352.17 ccw(c8583.05,11500.69) 8770.91,11441.22 ccw(c8623.44,11476.17) 8748.54,11561.73 ccw(c8527.77,11427.35) 8636.76,11661.69 ccw(c8582.8,11561.01) 8515.53,11653.33 ccw(c7574.54,11668.38) 8486.04,11902.61 ccw(c7026.23,11557.13) 8401.87,12155.46 ccw(c8263.77,12605.81) 8559.67,12239.3 ccw(c8285.11,12575.84) 8670,12374.58 ccw(c8328.11,12573.86) 8721.35,12618.15 ccw(c8073.32,12553.89) 8686.4,12773.45 ccw(c8186.8,12580.92) 8530.54,12991.41 ccw(c8192.21,12496.92) 8192.21,13096.08 ccw(c8224.94,12677.79) 7892.74,12934.07 ccw(c8288.04,12628.71) 7791.36,12681.71 ccw(c7306.06,11067.88) 6853.66,12691.24 ccw(c6527.01,12587.7) 6705.74,12880.07 ccw(c6278.76,12245.04) 6482.93,12982.53 ccw(c6369.27,12553.07) 6255.26,12982.44 ccw(c6400.53,12538.04) 6102.64,12898.4 ccw(c6416.65,12592.4) 5999.75,12728.14 ccw(c6428.59,12576.46) 5973.72,12575.17

## Dimensions
5709.29,13248.98 to 5709.29,9311.97 on Top Overlay
5727.4,13247.72 to 9664.41,13247.72 on Top Overlay

## Text inside footprints (layer, text, board x,y; h text height)
M1: Top Overlay "1" at 7709,12080.9 h60 r315; Top Overlay "24" at 8073.16,11716.74 h60 r315
SW1: Top Overlay "ON" at 6884.49,10394.96 h30 r180; Top Overlay "ON" at 6884.49,10294.96 h30 r180
TF_CARD1: Top Overlay "1" at 7318.96,10110.37 h30 r180; Top Overlay "2" at 7361.96,10109.37 h30 r180; Top Overlay "3" at 7403.96,10109.37 h30 r180; Top Overlay "4" at 7450.96,10109.37 h30 r180; Top Overlay "5" at 7492.96,10108.37 h30 r180; Top Overlay "6" at 7534.96,10108.37 h30 r180; Top Overlay "7" at 7576.96,10108.37 h30 r180; Top Overlay "8" at 7620.96,10107.37 h30 r180; Top Overlay "Cd" at 7673.96,10085.37 h30 r90